# KiCad board stekeeb65_analog.kicad_pcb
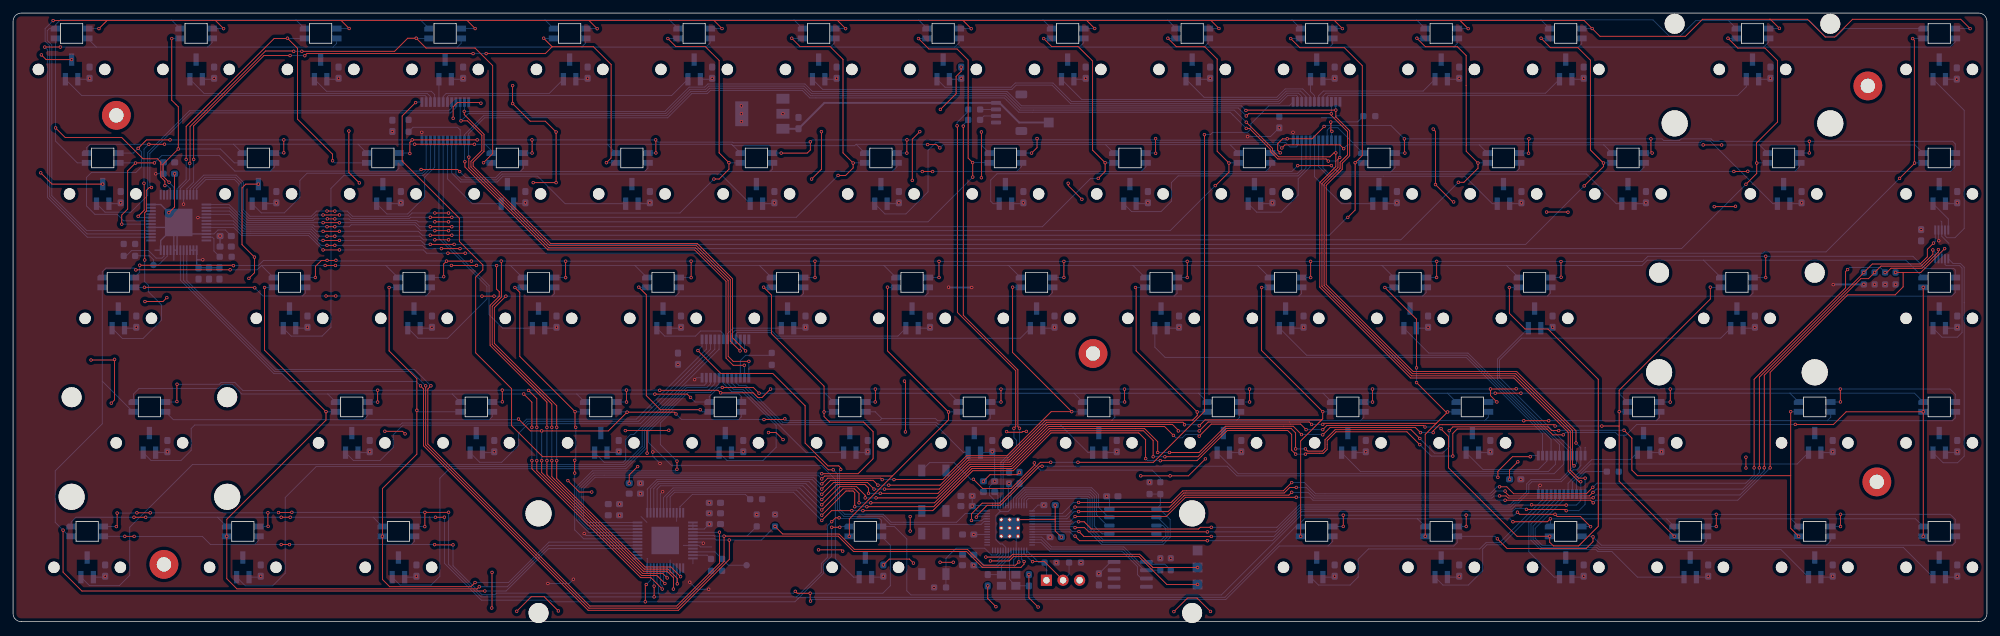
[diagram p0: board, top side]
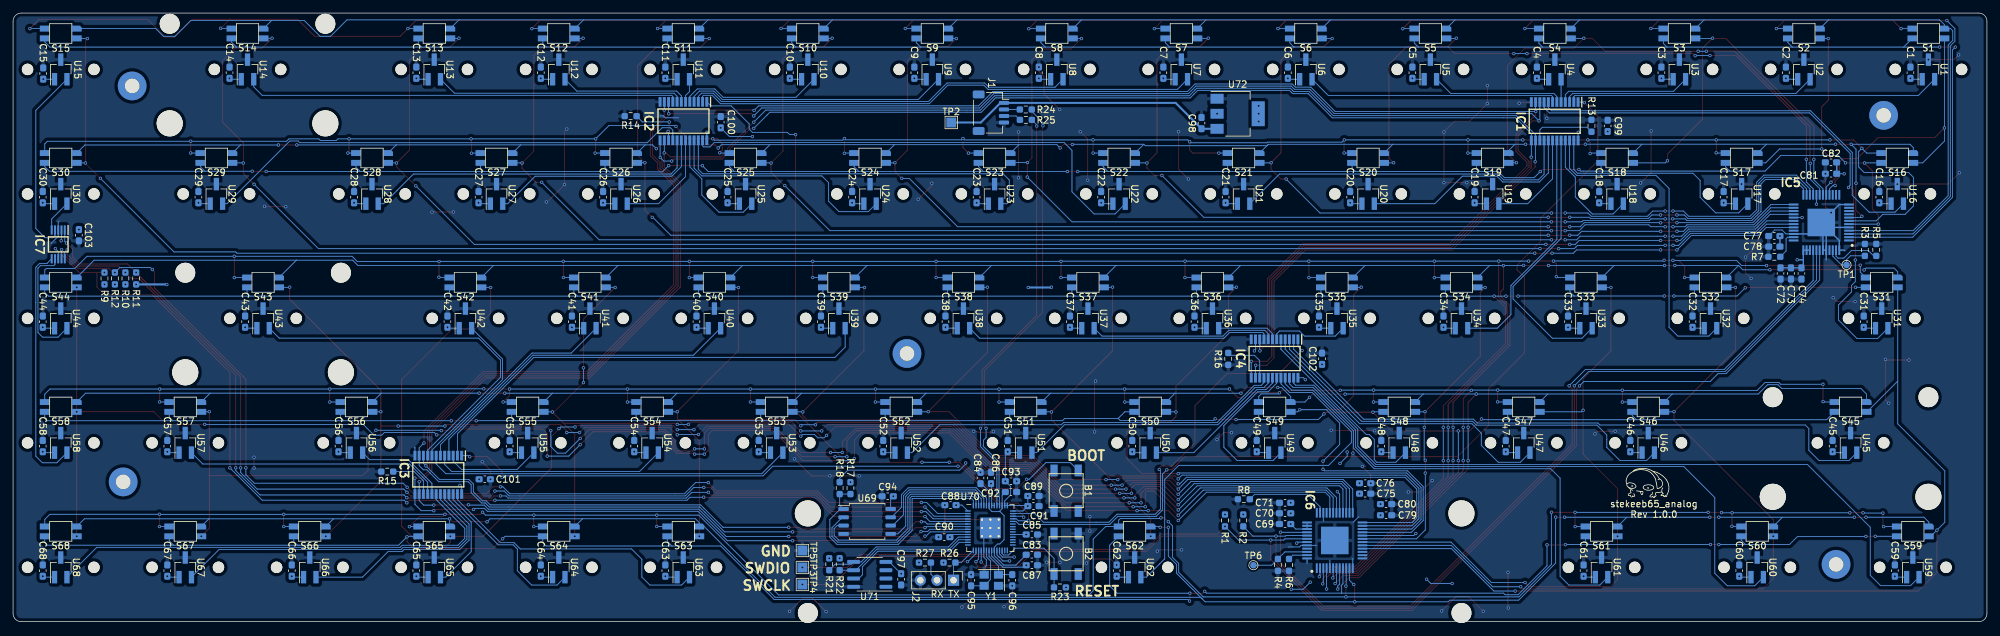
[diagram p1: board, bottom side, seen from below]

Outline 302 x 93.14 mm; copper layers: Top, Bottom. Coordinates in mm from the lower left corner of the outline.
Outline path: 0,91.89 0,1.25 arc(0.37,0.37) 1.25,0 300.75,0 arc(301.63,0.37) 302,1.25 302,91.89 arc(301.63,92.77) 300.75,93.14 1.25,93.14 arc(0.37,92.77) 0,91.89
Stack: Top 0.035mm / dielectric 1.51mm FR4 er 4.5 / Bottom 0.035mm

## Placement (name value [footprint] x y rotation side)
B1  SW_Push  [SKQG-1155865]  140.88 20.04 270 bottom
B2  SW_Push  [SKQG-1155865]  140.88 10.39 90 bottom
C1  0.1u  [C_0603_1608Metric_Pad1.08x0.95mm_HandSolder]  11.7 84.01 90 bottom
C2  0.1u  [C_0603_1608Metric_Pad1.08x0.95mm_HandSolder]  30.76 84.01 90 bottom
C3  0.1u  [C_0603_1608Metric_Pad1.08x0.95mm_HandSolder]  49.8 84.01 90 bottom
C4  0.1u  [C_0603_1608Metric_Pad1.08x0.95mm_HandSolder]  68.85 84.01 90 bottom
C5  0.1u  [C_0603_1608Metric_Pad1.08x0.95mm_HandSolder]  87.91 84.01 90 bottom
C6  0.1u  [C_0603_1608Metric_Pad1.08x0.95mm_HandSolder]  106.95 84.01 90 bottom
C7  0.1u  [C_0603_1608Metric_Pad1.08x0.95mm_HandSolder]  126 84.01 90 bottom
C8  0.1u  [C_0603_1608Metric_Pad1.08x0.95mm_HandSolder]  145.05 84.01 90 bottom
C9  0.1u  [C_0603_1608Metric_Pad1.08x0.95mm_HandSolder]  164.1 84.01 90 bottom
C10  0.1u  [C_0603_1608Metric_Pad1.08x0.95mm_HandSolder]  183.16 84.01 90 bottom
C11  0.1u  [C_0603_1608Metric_Pad1.08x0.95mm_HandSolder]  202.2 84.01 90 bottom
C12  0.1u  [C_0603_1608Metric_Pad1.08x0.95mm_HandSolder]  221.25 84.01 90 bottom
C13  0.1u  [C_0603_1608Metric_Pad1.08x0.95mm_HandSolder]  240.3 84.01 90 bottom
C14  0.1u  [C_0603_1608Metric_Pad1.08x0.95mm_HandSolder]  268.88 84.01 90 bottom
C15  0.1u  [C_0603_1608Metric_Pad1.08x0.95mm_HandSolder]  297.39 83.89 90 bottom
C16  0.1u  [C_0603_1608Metric_Pad1.08x0.95mm_HandSolder]  16.47 64.96 90 bottom
C17  0.1u  [C_0603_1608Metric_Pad1.08x0.95mm_HandSolder]  40.28 64.96 90 bottom
C18  0.1u  [C_0603_1608Metric_Pad1.08x0.95mm_HandSolder]  59.33 64.96 90 bottom
C19  0.1u  [C_0603_1608Metric_Pad1.08x0.95mm_HandSolder]  78.38 64.96 90 bottom
C20  0.1u  [C_0603_1608Metric_Pad1.08x0.95mm_HandSolder]  97.43 64.96 90 bottom
C21  0.1u  [C_0603_1608Metric_Pad1.08x0.95mm_HandSolder]  116.48 64.96 90 bottom
C22  0.1u  [C_0603_1608Metric_Pad1.08x0.95mm_HandSolder]  135.53 64.96 90 bottom
C23  0.1u  [C_0603_1608Metric_Pad1.08x0.95mm_HandSolder]  154.58 64.96 90 bottom
C24  0.1u  [C_0603_1608Metric_Pad1.08x0.95mm_HandSolder]  173.63 64.96 90 bottom
C25  0.1u  [C_0603_1608Metric_Pad1.08x0.95mm_HandSolder]  192.68 64.96 90 bottom
C26  0.1u  [C_0603_1608Metric_Pad1.08x0.95mm_HandSolder]  211.73 64.96 90 bottom
C27  0.1u  [C_0603_1608Metric_Pad1.08x0.95mm_HandSolder]  230.78 64.96 90 bottom
C28  0.1u  [C_0603_1608Metric_Pad1.08x0.95mm_HandSolder]  249.83 64.96 90 bottom
C29  0.1u  [C_0603_1608Metric_Pad1.08x0.95mm_HandSolder]  273.64 64.96 90 bottom
C30  0.1u  [C_0603_1608Metric_Pad1.08x0.95mm_HandSolder]  297.46 64.96 90 bottom
C31  0.1u  [C_0603_1608Metric_Pad1.08x0.95mm_HandSolder]  18.85 45.91 90 bottom
C32  0.1u  [C_0603_1608Metric_Pad1.08x0.95mm_HandSolder]  45.04 45.91 90 bottom
C33  0.1u  [C_0603_1608Metric_Pad1.08x0.95mm_HandSolder]  64.09 45.91 90 bottom
C34  0.1u  [C_0603_1608Metric_Pad1.08x0.95mm_HandSolder]  83.14 45.91 90 bottom
C35  0.1u  [C_0603_1608Metric_Pad1.08x0.95mm_HandSolder]  102.19 45.91 90 bottom
C36  0.1u  [C_0603_1608Metric_Pad1.08x0.95mm_HandSolder]  121.24 45.91 90 bottom
C37  0.1u  [C_0603_1608Metric_Pad1.08x0.95mm_HandSolder]  140.29 45.91 90 bottom
C38  0.1u  [C_0603_1608Metric_Pad1.08x0.95mm_HandSolder]  159.34 45.91 90 bottom
C39  0.1u  [C_0603_1608Metric_Pad1.08x0.95mm_HandSolder]  178.39 45.91 90 bottom
C40  0.1u  [C_0603_1608Metric_Pad1.08x0.95mm_HandSolder]  197.44 45.91 90 bottom
C41  0.1u  [C_0603_1608Metric_Pad1.08x0.95mm_HandSolder]  216.49 45.91 90 bottom
C42  0.1u  [C_0603_1608Metric_Pad1.08x0.95mm_HandSolder]  235.54 45.91 90 bottom
C43  0.1u  [C_0603_1608Metric_Pad1.08x0.95mm_HandSolder]  266.5 45.91 90 bottom
C44  0.1u  [C_0603_1608Metric_Pad1.08x0.95mm_HandSolder]  297.46 45.91 90 bottom
C45  0.1u  [C_0603_1608Metric_Pad1.08x0.95mm_HandSolder]  23.61 26.86 90 bottom
C46  0.1u  [C_0603_1608Metric_Pad1.08x0.95mm_HandSolder]  54.57 26.86 90 bottom
C47  0.1u  [C_0603_1608Metric_Pad1.08x0.95mm_HandSolder]  73.62 26.86 90 bottom
C48  0.1u  [C_0603_1608Metric_Pad1.08x0.95mm_HandSolder]  92.67 26.86 90 bottom
C49  0.1u  [C_0603_1608Metric_Pad1.08x0.95mm_HandSolder]  111.72 26.86 90 bottom
C50  0.1u  [C_0603_1608Metric_Pad1.08x0.95mm_HandSolder]  130.77 26.86 90 bottom
C51  0.1u  [C_0603_1608Metric_Pad1.08x0.95mm_HandSolder]  149.82 26.86 90 bottom
C52  0.1u  [C_0603_1608Metric_Pad1.08x0.95mm_HandSolder]  168.87 26.86 90 bottom
C53  0.1u  [C_0603_1608Metric_Pad1.08x0.95mm_HandSolder]  187.92 26.86 90 bottom
C54  0.1u  [C_0603_1608Metric_Pad1.08x0.95mm_HandSolder]  206.97 26.86 90 bottom
C55  0.1u  [C_0603_1608Metric_Pad1.08x0.95mm_HandSolder]  226.02 26.86 90 bottom
C56  0.1u  [C_0603_1608Metric_Pad1.08x0.95mm_HandSolder]  252.21 26.86 90 bottom
C57  0.1u  [C_0603_1608Metric_Pad1.08x0.95mm_HandSolder]  278.41 26.86 90 bottom
C58  0.1u  [C_0603_1608Metric_Pad1.08x0.95mm_HandSolder]  297.46 26.86 90 bottom
C59  0.1u  [C_0603_1608Metric_Pad1.08x0.95mm_HandSolder]  14.09 7.81 90 bottom
C60  0.1u  [C_0603_1608Metric_Pad1.08x0.95mm_HandSolder]  37.9 7.81 90 bottom
C61  0.1u  [C_0603_1608Metric_Pad1.08x0.95mm_HandSolder]  61.71 7.81 90 bottom
C62  0.1u  [C_0603_1608Metric_Pad1.08x0.95mm_HandSolder]  133.15 7.81 90 bottom
C63  0.1u  [C_0603_1608Metric_Pad1.08x0.95mm_HandSolder]  202.2 7.81 90 bottom
C64  0.1u  [C_0603_1608Metric_Pad1.08x0.95mm_HandSolder]  221.25 7.81 90 bottom
C65  0.1u  [C_0603_1608Metric_Pad1.08x0.95mm_HandSolder]  240.3 7.81 90 bottom
C66  0.1u  [C_0603_1608Metric_Pad1.08x0.95mm_HandSolder]  259.36 7.81 90 bottom
C67  0.1u  [C_0603_1608Metric_Pad1.08x0.95mm_HandSolder]  278.41 7.81 90 bottom
C68  0.1u  [C_0603_1608Metric_Pad1.08x0.95mm_HandSolder]  297.46 7.81 90 bottom
C69  0.47u  [C_0603_1608Metric_Pad1.08x0.95mm_HandSolder]  107.38 14.94 0 bottom
C70  0.47u  [C_0603_1608Metric_Pad1.08x0.95mm_HandSolder]  107.38 16.59 0 bottom
C71  0.1u  [C_0603_1608Metric_Pad1.08x0.95mm_HandSolder]  107.38 18.19 0 bottom
C72  0.47u  [C_0603_1608Metric_Pad1.08x0.95mm_HandSolder]  31.58 53.29 270 bottom
C73  0.47u  [C_0603_1608Metric_Pad1.08x0.95mm_HandSolder]  29.98 53.29 270 bottom
C74  0.1u  [C_0603_1608Metric_Pad1.08x0.95mm_HandSolder]  28.38 53.29 270 bottom
C75  0.47u  [C_0603_1608Metric_Pad1.08x0.95mm_HandSolder]  95.13 19.59 180 bottom
C76  0.1u  [C_0603_1608Metric_Pad1.08x0.95mm_HandSolder]  95.13 21.19 180 bottom
C77  0.47u  [C_0603_1608Metric_Pad1.08x0.95mm_HandSolder]  32.53 59.02 0 bottom
C78  0.1u  [C_0603_1608Metric_Pad1.08x0.95mm_HandSolder]  32.53 57.4 0 bottom
C79  0.47u  [C_0603_1608Metric_Pad1.08x0.95mm_HandSolder]  91.93 16.29 180 bottom
C80  0.1u  [C_0603_1608Metric_Pad1.08x0.95mm_HandSolder]  91.93 17.99 180 bottom
C81  0.47u  [C_0603_1608Metric_Pad1.08x0.95mm_HandSolder]  23.85 68.55 0 bottom
C82  0.1u  [C_0603_1608Metric_Pad1.08x0.95mm_HandSolder]  23.86 70.29 0 bottom
C83  0.1u  [C_0603_1608Metric_Pad1.08x0.95mm_HandSolder]  146.14 10.24 180 bottom
C84  0.1u  [C_0603_1608Metric_Pad1.08x0.95mm_HandSolder]  153.98 21.99 90 bottom
C85  0.1u  [C_0603_1608Metric_Pad1.08x0.95mm_HandSolder]  146.13 13.34 180 bottom
C86  0.1u  [C_0603_1608Metric_Pad1.08x0.95mm_HandSolder]  152.38 21.99 90 bottom
C87  0.1u  [C_0603_1608Metric_Pad1.08x0.95mm_HandSolder]  146.13 8.64 180 bottom
C88  0.1u  [C_0603_1608Metric_Pad1.08x0.95mm_HandSolder]  158.58 17.84 0 bottom
C89  0.1u  [C_0603_1608Metric_Pad1.08x0.95mm_HandSolder]  145.88 19.24 180 bottom
C90  0.1u  [C_0603_1608Metric_Pad1.08x0.95mm_HandSolder]  159.53 12.94 0 bottom
C91  0.1u  [C_0603_1608Metric_Pad1.08x0.95mm_HandSolder]  145.88 17.69 180 bottom
C92  1u  [C_0603_1608Metric_Pad1.08x0.95mm_HandSolder]  149.32 19.84 180 bottom
C93  1u  [C_0603_1608Metric_Pad1.08x0.95mm_HandSolder]  149.32 21.49 180 bottom
C94  0.1u  [C_0603_1608Metric_Pad1.08x0.95mm_HandSolder]  168.18 19.19 180 bottom
C95  27p  [C_0603_1608Metric_Pad1.08x0.95mm_HandSolder]  155.42 6.34 270 bottom
C96  27p  [C_0603_1608Metric_Pad1.08x0.95mm_HandSolder]  149.12 6.34 90 bottom
C97  0.1u  [C_0603_1608Metric_Pad1.08x0.95mm_HandSolder]  166.13 6.48 270 bottom
C98  0.1u  [C_0603_1608Metric_Pad1.08x0.95mm_HandSolder]  120.17 76.3 270 bottom
C99  0.1u  [C_0603_1608Metric_Pad1.08x0.95mm_HandSolder]  58.03 75.88 90 bottom
C100  0.1u  [C_0603_1608Metric_Pad1.08x0.95mm_HandSolder]  193.73 76.44 90 bottom
C101  0.1u  [C_0603_1608Metric_Pad1.08x0.95mm_HandSolder]  229.83 21.79 180 bottom
C102  0.1u  [C_0603_1608Metric_Pad1.08x0.95mm_HandSolder]  101.73 40.24 90 bottom
C103  0.1u  [C_0603_1608Metric_Pad1.08x0.95mm_HandSolder]  291.93 59.14 270 bottom
G***  LOGO  [crisis_boi]  51.65 21.16 180 bottom
IC1  74HC4067PW,118  [SOP65P640X110-24N]  66.13 76.58 270 bottom
IC2  74HC4067PW,118  [SOP65P640X110-24N]  199.43 76.61 270 bottom
IC3  74HC4067PW,118  [SOP65P640X110-24N]  236.94 22.47 270 bottom
IC4  74HC4067PW,118  [SOP65P640X110-24N]  108.99 40.27 270 bottom
IC5  IS31FL3733B-TQLS4  [QFP50P900X900X120-49N]  25.34 61.09 0 bottom
IC6  IS31FL3733B-TQLS4  [QFP50P900X900X120-49N]  99.78 12.43 90 bottom
IC7  ADC124S021CIMM_NOPB  [SOP50P490X110-10N]  295.09 57.74 270 bottom
J1  Conn_01x04  [JST_SH_SM04B-SRSS-TB_1x04-1MP_P1.00mm_Horizontal]  152.39 77.89 270 bottom
J2  Conn_01x03  [PinHeader_1x03_P2.54mm_Vertical]  158.1 6.34 270 bottom
NOREF  -  [unnamed]  23.08 8.76 0 top
NOREF#2  -  [unnamed]  165.23 41.04 0 top
NOREF#3  -  [unnamed]  285.16 21.39 0 top
NOREF#4  -  [unnamed]  283.78 81.99 0 top
R1  4.7k  [R_0603_1608Metric_Pad0.98x0.95mm_HandSolder]  116.58 15.49 270 bottom
R2  4.7k  [R_0603_1608Metric_Pad0.98x0.95mm_HandSolder]  113.78 15.49 270 bottom
R3  100k  [R_0603_1608Metric_Pad0.98x0.95mm_HandSolder]  18.68 56.89 270 bottom
R4  100k  [R_0603_1608Metric_Pad0.98x0.95mm_HandSolder]  108.48 8.69 90 bottom
R5  100k  [R_0603_1608Metric_Pad0.98x0.95mm_HandSolder]  16.93 56.89 270 bottom
R6  100k  [R_0603_1608Metric_Pad0.98x0.95mm_HandSolder]  106.78 8.69 90 bottom
R7  20k  [R_0603_1608Metric_Pad0.98x0.95mm_HandSolder]  32.53 55.84 0 bottom
R8  20k  [R_0603_1608Metric_Pad0.98x0.95mm_HandSolder]  113.69 18.74 0 bottom
R9  DNI  [R_0603_1608Metric_Pad0.98x0.95mm_HandSolder]  288.02 52.53 90 bottom
R10  DNI  [R_0603_1608Metric_Pad0.98x0.95mm_HandSolder]  284.82 52.53 90 bottom
R11  DNI  [R_0603_1608Metric_Pad0.98x0.95mm_HandSolder]  283.17 52.53 90 bottom
R12  DNI  [R_0603_1608Metric_Pad0.98x0.95mm_HandSolder]  286.42 52.53 90 bottom
R13  0  [R_0603_1608Metric_Pad0.98x0.95mm_HandSolder]  60.51 75.89 90 bottom
R14  0  [R_0603_1608Metric_Pad0.98x0.95mm_HandSolder]  207.5 77.36 0 bottom
R15  0  [R_0603_1608Metric_Pad0.98x0.95mm_HandSolder]  244.75 22.96 0 bottom
R16  0  [R_0603_1608Metric_Pad0.98x0.95mm_HandSolder]  116.08 40.21 270 bottom
R17  DNI  [R_0603_1608Metric_Pad0.98x0.95mm_HandSolder]  173.88 20.44 90 bottom
R18  10k  [R_0603_1608Metric_Pad0.98x0.95mm_HandSolder]  175.53 20.44 270 bottom
R21  4.7k  [R_0603_1608Metric_Pad0.98x0.95mm_HandSolder]  177.13 8.79 270 bottom
R22  4.7k  [R_0603_1608Metric_Pad0.98x0.95mm_HandSolder]  175.53 8.79 270 bottom
R23  10k  [R_0603_1608Metric_Pad0.98x0.95mm_HandSolder]  141.83 5.24 0 bottom
R24  27  [R_0603_1608Metric_Pad0.98x0.95mm_HandSolder]  147.05 78.38 180 bottom
R25  27  [R_0603_1608Metric_Pad0.98x0.95mm_HandSolder]  147.04 76.8 0 bottom
R26  DNI  [R_0603_1608Metric_Pad0.98x0.95mm_HandSolder]  158.73 9.04 180 bottom
R27  DNI  [R_0603_1608Metric_Pad0.98x0.95mm_HandSolder]  162.48 9.04 180 bottom
REF**  -  [MountingHole_2.2mm_M2_Pad_tweaked]  15.8 77.49 0 top
S1  QBLP677R-RGB  [QBLP677R-RGB-square_cutout]  8.95 90.01 0 bottom
S2  QBLP677R-RGB  [QBLP677R-RGB-square_cutout]  28.01 90.01 0 bottom
S3  QBLP677R-RGB  [QBLP677R-RGB-square_cutout]  47.05 90.01 0 bottom
S4  QBLP677R-RGB  [QBLP677R-RGB-square_cutout]  66.1 90.01 0 bottom
S5  QBLP677R-RGB  [QBLP677R-RGB-square_cutout]  85.16 90.01 0 bottom
S6  QBLP677R-RGB  [QBLP677R-RGB-square_cutout]  104.2 90.01 0 bottom
S7  QBLP677R-RGB  [QBLP677R-RGB-square_cutout]  123.25 90.01 0 bottom
S8  QBLP677R-RGB  [QBLP677R-RGB-square_cutout]  142.3 90.01 0 bottom
S9  QBLP677R-RGB  [QBLP677R-RGB-square_cutout]  161.35 90.01 0 bottom
S10  QBLP677R-RGB  [QBLP677R-RGB-square_cutout]  180.41 90.01 0 bottom
S11  QBLP677R-RGB  [QBLP677R-RGB-square_cutout]  199.45 90.01 0 bottom
S12  QBLP677R-RGB  [QBLP677R-RGB-square_cutout]  218.5 90.01 0 bottom
S13  QBLP677R-RGB  [QBLP677R-RGB-square_cutout]  237.55 90.01 0 bottom
S14  QBLP677R-RGB  [QBLP677R-RGB-square_cutout]  266.13 90.01 0 bottom
S15  QBLP677R-RGB  [QBLP677R-RGB-square_cutout]  294.71 90.01 0 bottom
S16  QBLP677R-RGB  [QBLP677R-RGB-square_cutout]  13.72 70.96 0 bottom
S17  QBLP677R-RGB  [QBLP677R-RGB-square_cutout]  37.53 70.96 0 bottom
S18  QBLP677R-RGB  [QBLP677R-RGB-square_cutout]  56.58 70.96 0 bottom
S19  QBLP677R-RGB  [QBLP677R-RGB-square_cutout]  75.63 70.96 0 bottom
S20  QBLP677R-RGB  [QBLP677R-RGB-square_cutout]  94.68 70.96 0 bottom
S21  QBLP677R-RGB  [QBLP677R-RGB-square_cutout]  113.73 70.96 0 bottom
S22  QBLP677R-RGB  [QBLP677R-RGB-square_cutout]  132.78 70.96 0 bottom
S23  QBLP677R-RGB  [QBLP677R-RGB-square_cutout]  151.83 70.96 0 bottom
S24  QBLP677R-RGB  [QBLP677R-RGB-square_cutout]  170.88 70.96 0 bottom
S25  QBLP677R-RGB  [QBLP677R-RGB-square_cutout]  189.93 70.96 0 bottom
S26  QBLP677R-RGB  [QBLP677R-RGB-square_cutout]  208.98 70.96 0 bottom
S27  QBLP677R-RGB  [QBLP677R-RGB-square_cutout]  228.03 70.96 0 bottom
S28  QBLP677R-RGB  [QBLP677R-RGB-square_cutout]  247.08 70.96 0 bottom
S29  QBLP677R-RGB  [QBLP677R-RGB-square_cutout]  270.89 70.96 0 bottom
S30  QBLP677R-RGB  [QBLP677R-RGB-square_cutout]  294.71 70.96 0 bottom
S31  QBLP677R-RGB  [QBLP677R-RGB-square_cutout]  16.1 51.91 0 bottom
S32  QBLP677R-RGB  [QBLP677R-RGB-square_cutout]  42.29 51.91 0 bottom
S33  QBLP677R-RGB  [QBLP677R-RGB-square_cutout]  61.34 51.91 0 bottom
S34  QBLP677R-RGB  [QBLP677R-RGB-square_cutout]  80.39 51.91 0 bottom
S35  QBLP677R-RGB  [QBLP677R-RGB-square_cutout]  99.44 51.91 0 bottom
S36  QBLP677R-RGB  [QBLP677R-RGB-square_cutout]  118.49 51.91 0 bottom
S37  QBLP677R-RGB  [QBLP677R-RGB-square_cutout]  137.54 51.91 0 bottom
S38  QBLP677R-RGB  [QBLP677R-RGB-square_cutout]  156.59 51.91 0 bottom
S39  QBLP677R-RGB  [QBLP677R-RGB-square_cutout]  175.64 51.91 0 bottom
S40  QBLP677R-RGB  [QBLP677R-RGB-square_cutout]  194.69 51.91 0 bottom
S41  QBLP677R-RGB  [QBLP677R-RGB-square_cutout]  213.74 51.91 0 bottom
S42  QBLP677R-RGB  [QBLP677R-RGB-square_cutout]  232.79 51.91 0 bottom
S43  QBLP677R-RGB  [QBLP677R-RGB-square_cutout]  263.75 51.91 0 bottom
S44  QBLP677R-RGB  [QBLP677R-RGB-square_cutout]  294.71 51.91 0 bottom
S45  QBLP677R-RGB  [QBLP677R-RGB-square_cutout]  20.86 32.86 0 bottom
S46  QBLP677R-RGB  [QBLP677R-RGB-square_cutout]  51.82 32.86 0 bottom
S47  QBLP677R-RGB  [QBLP677R-RGB-square_cutout]  70.87 32.86 0 bottom
S48  QBLP677R-RGB  [QBLP677R-RGB-square_cutout]  89.92 32.86 0 bottom
S49  QBLP677R-RGB  [QBLP677R-RGB-square_cutout]  108.97 32.86 0 bottom
S50  QBLP677R-RGB  [QBLP677R-RGB-square_cutout]  128.02 32.86 0 bottom
S51  QBLP677R-RGB  [QBLP677R-RGB-square_cutout]  147.07 32.86 0 bottom
S52  QBLP677R-RGB  [QBLP677R-RGB-square_cutout]  166.12 32.86 0 bottom
S53  QBLP677R-RGB  [QBLP677R-RGB-square_cutout]  185.17 32.86 0 bottom
S54  QBLP677R-RGB  [QBLP677R-RGB-square_cutout]  204.22 32.86 0 bottom
S55  QBLP677R-RGB  [QBLP677R-RGB-square_cutout]  223.27 32.86 0 bottom
S56  QBLP677R-RGB  [QBLP677R-RGB-square_cutout]  249.46 32.86 0 bottom
S57  QBLP677R-RGB  [QBLP677R-RGB-square_cutout]  275.66 32.86 0 bottom
S58  QBLP677R-RGB  [QBLP677R-RGB-square_cutout]  294.71 32.86 0 bottom
S59  QBLP677R-RGB  [QBLP677R-RGB-square_cutout]  11.34 13.81 0 bottom
S60  QBLP677R-RGB  [QBLP677R-RGB-square_cutout]  35.15 13.81 0 bottom
S61  QBLP677R-RGB  [QBLP677R-RGB-square_cutout]  58.96 13.81 0 bottom
S62  QBLP677R-RGB  [QBLP677R-RGB-square_cutout]  130.4 13.81 0 bottom
S63  QBLP677R-RGB  [QBLP677R-RGB-square_cutout]  199.45 13.81 0 bottom
S64  QBLP677R-RGB  [QBLP677R-RGB-square_cutout]  218.5 13.81 0 bottom
S65  QBLP677R-RGB  [QBLP677R-RGB-square_cutout]  237.55 13.81 0 bottom
S66  QBLP677R-RGB  [QBLP677R-RGB-square_cutout]  256.61 13.81 0 bottom
S67  QBLP677R-RGB  [QBLP677R-RGB-square_cutout]  275.66 13.81 0 bottom
S68  QBLP677R-RGB  [QBLP677R-RGB-square_cutout]  294.71 13.81 0 bottom
SW1  -  [MX_Lekker]  8.95 84.51 0 top
SW2  -  [MX_Lekker]  28.01 84.51 0 top
SW3  -  [MX_Lekker]  47.05 84.51 0 top
SW4  -  [MX_Lekker]  66.1 84.51 0 top
SW5  -  [MX_Lekker]  85.16 84.51 0 top
SW6  -  [MX_Lekker]  104.2 84.51 0 top
SW7  -  [MX_Lekker]  123.25 84.51 0 top
SW8  -  [MX_Lekker]  142.3 84.51 0 top
SW9  -  [MX_Lekker]  161.35 84.51 0 top
SW10  -  [MX_Lekker]  180.41 84.51 0 top
SW11  -  [MX_Lekker]  199.45 84.51 0 top
SW12  -  [MX_Lekker]  218.5 84.51 0 top
SW13  -  [MX_Lekker]  237.55 84.51 0 top
SW14  MX_Lekker  [MX_Lekker-2U]  266.13 84.51 0 top
SW15  -  [MX_Lekker]  294.71 84.51 0 top
SW16  MX_Lekker  [MX_Lekker-1.5U]  13.72 65.46 0 top
SW17  -  [MX_Lekker]  37.53 65.46 0 top
SW18  -  [MX_Lekker]  56.58 65.46 0 top
SW19  -  [MX_Lekker]  75.63 65.46 0 top
SW20  -  [MX_Lekker]  94.68 65.46 0 top
SW21  -  [MX_Lekker]  113.73 65.46 0 top
SW22  -  [MX_Lekker]  132.78 65.46 0 top
SW23  -  [MX_Lekker]  151.83 65.46 0 top
SW24  -  [MX_Lekker]  170.88 65.46 0 top
SW25  -  [MX_Lekker]  189.93 65.46 0 top
SW26  -  [MX_Lekker]  208.98 65.46 0 top
SW27  -  [MX_Lekker]  228.03 65.46 0 top
SW28  -  [MX_Lekker]  247.08 65.46 0 top
SW29  MX_Lekker  [MX_Lekker-1.5U]  270.89 65.46 0 top
SW30  -  [MX_Lekker]  294.71 65.46 0 top
SW31  MX_Lekker  [MX_Lekker-1.75U]  16.1 46.41 0 top
SW32  -  [MX_Lekker]  42.29 46.41 0 top
SW33  -  [MX_Lekker]  61.34 46.41 0 top
SW34  -  [MX_Lekker]  80.39 46.41 0 top
SW35  -  [MX_Lekker]  99.44 46.41 0 top
SW36  -  [MX_Lekker]  118.49 46.41 0 top
SW37  -  [MX_Lekker]  137.54 46.41 0 top
SW38  -  [MX_Lekker]  156.59 46.41 0 top
SW39  -  [MX_Lekker]  175.64 46.41 0 top
SW40  -  [MX_Lekker]  194.69 46.41 0 top
SW41  -  [MX_Lekker]  213.74 46.41 0 top
SW42  -  [MX_Lekker]  232.79 46.41 0 top
SW43  MX_Lekker  [MX_Lekker-2.25U]  263.75 46.41 0 top
SW44  -  [MX_Lekker]  294.71 46.41 0 top
SW45  MX_Lekker  [MX_Lekker-2.25U]  20.86 27.36 0 top
SW46  -  [MX_Lekker]  51.82 27.36 0 top
SW47  -  [MX_Lekker]  70.87 27.36 0 top
SW48  -  [MX_Lekker]  89.92 27.36 0 top
SW49  -  [MX_Lekker]  108.97 27.36 0 top
SW50  -  [MX_Lekker]  128.02 27.36 0 top
SW51  -  [MX_Lekker]  147.07 27.36 0 top
SW52  -  [MX_Lekker]  166.12 27.36 0 top
SW53  -  [MX_Lekker]  185.17 27.36 0 top
SW54  -  [MX_Lekker]  204.22 27.36 0 top
SW55  -  [MX_Lekker]  223.27 27.36 0 top
SW56  MX_Lekker  [MX_Lekker-1.75U]  249.46 27.36 0 top
SW57  -  [MX_Lekker]  275.66 27.36 0 top
SW58  -  [MX_Lekker]  294.71 27.36 0 top
SW59  MX_Lekker  [MX_Lekker-1.25U]  11.34 8.31 0 top
SW60  MX_Lekker  [MX_Lekker-1.25U]  35.15 8.31 0 top
SW61  MX_Lekker  [MX_Lekker-1.25U]  58.96 8.31 0 top
SW62  MX_Lekker  [MX_Lekker-6.25U-ReversedStabilizers]  130.4 8.31 180 bottom
SW63  -  [MX_Lekker]  199.45 8.31 0 top
SW64  -  [MX_Lekker]  218.5 8.31 0 top
SW65  -  [MX_Lekker]  237.55 8.31 0 top
SW66  -  [MX_Lekker]  256.61 8.31 0 top
SW67  -  [MX_Lekker]  275.66 8.31 0 top
SW68  -  [MX_Lekker]  294.71 8.31 0 top
TP1  TestPoint  [TestPoint_Pad_D1.0mm]  21.48 54.59 0 bottom
TP2  TestPoint  [TestPoint_Pad_1.5x1.5mm]  158.45 76.39 180 bottom
TP3  TestPoint  [TestPoint_Pad_1.5x1.5mm]  181.23 8.29 270 bottom
TP4  TestPoint  [TestPoint_Pad_1.5x1.5mm]  181.23 5.69 270 bottom
TP5  TestPoint  [TestPoint_Pad_1.5x1.5mm]  181.23 10.89 270 bottom
TP6  TestPoint  [TestPoint_Pad_D1.0mm]  112.23 8.64 180 bottom
U1  DRV5055Z3QDBZT  [SOT-23_Handsoldering_no_plane]  8.95 84.51 90 bottom
U2  DRV5055Z3QDBZT  [SOT-23_Handsoldering_no_plane]  28.01 84.51 90 bottom
U3  DRV5055Z3QDBZT  [SOT-23_Handsoldering_no_plane]  47.05 84.51 90 bottom
U4  DRV5055Z3QDBZT  [SOT-23_Handsoldering_no_plane]  66.1 84.51 90 bottom
U5  DRV5055Z3QDBZT  [SOT-23_Handsoldering_no_plane]  85.16 84.51 90 bottom
U6  DRV5055Z3QDBZT  [SOT-23_Handsoldering_no_plane]  104.2 84.51 90 bottom
U7  DRV5055Z3QDBZT  [SOT-23_Handsoldering_no_plane]  123.25 84.51 90 bottom
U8  DRV5055Z3QDBZT  [SOT-23_Handsoldering_no_plane]  142.3 84.51 90 bottom
U9  DRV5055Z3QDBZT  [SOT-23_Handsoldering_no_plane]  161.35 84.51 90 bottom
U10  DRV5055Z3QDBZT  [SOT-23_Handsoldering_no_plane]  180.41 84.51 90 bottom
U11  DRV5055Z3QDBZT  [SOT-23_Handsoldering_no_plane]  199.45 84.51 90 bottom
U12  DRV5055Z3QDBZT  [SOT-23_Handsoldering_no_plane]  218.5 84.51 90 bottom
U13  DRV5055Z3QDBZT  [SOT-23_Handsoldering_no_plane]  237.55 84.51 90 bottom
U14  DRV5055Z3QDBZT  [SOT-23_Handsoldering_no_plane]  266.13 84.51 90 bottom
U15  DRV5055Z3QDBZT  [SOT-23_Handsoldering_no_plane]  294.71 84.51 90 bottom
U16  DRV5055Z3QDBZT  [SOT-23_Handsoldering_no_plane]  13.72 65.46 90 bottom
U17  DRV5055Z3QDBZT  [SOT-23_Handsoldering_no_plane]  37.53 65.46 90 bottom
U18  DRV5055Z3QDBZT  [SOT-23_Handsoldering_no_plane]  56.58 65.46 90 bottom
U19  DRV5055Z3QDBZT  [SOT-23_Handsoldering_no_plane]  75.63 65.46 90 bottom
U20  DRV5055Z3QDBZT  [SOT-23_Handsoldering_no_plane]  94.68 65.46 90 bottom
U21  DRV5055Z3QDBZT  [SOT-23_Handsoldering_no_plane]  113.73 65.46 90 bottom
U22  DRV5055Z3QDBZT  [SOT-23_Handsoldering_no_plane]  132.78 65.46 90 bottom
U23  DRV5055Z3QDBZT  [SOT-23_Handsoldering_no_plane]  151.83 65.46 90 bottom
U24  DRV5055Z3QDBZT  [SOT-23_Handsoldering_no_plane]  170.88 65.46 90 bottom
U25  DRV5055Z3QDBZT  [SOT-23_Handsoldering_no_plane]  189.93 65.46 90 bottom
U26  DRV5055Z3QDBZT  [SOT-23_Handsoldering_no_plane]  208.98 65.46 90 bottom
U27  DRV5055Z3QDBZT  [SOT-23_Handsoldering_no_plane]  228.03 65.46 90 bottom
U28  DRV5055Z3QDBZT  [SOT-23_Handsoldering_no_plane]  247.08 65.46 90 bottom
U29  DRV5055Z3QDBZT  [SOT-23_Handsoldering_no_plane]  270.89 65.46 90 bottom
U30  DRV5055Z3QDBZT  [SOT-23_Handsoldering_no_plane]  294.71 65.46 90 bottom
U31  DRV5055Z3QDBZT  [SOT-23_Handsoldering_no_plane]  16.1 46.41 90 bottom
U32  DRV5055Z3QDBZT  [SOT-23_Handsoldering_no_plane]  42.29 46.41 90 bottom
U33  DRV5055Z3QDBZT  [SOT-23_Handsoldering_no_plane]  61.34 46.41 90 bottom
U34  DRV5055Z3QDBZT  [SOT-23_Handsoldering_no_plane]  80.39 46.41 90 bottom
U35  DRV5055Z3QDBZT  [SOT-23_Handsoldering_no_plane]  99.44 46.41 90 bottom
U36  DRV5055Z3QDBZT  [SOT-23_Handsoldering_no_plane]  118.49 46.41 90 bottom
U37  DRV5055Z3QDBZT  [SOT-23_Handsoldering_no_plane]  137.54 46.41 90 bottom
U38  DRV5055Z3QDBZT  [SOT-23_Handsoldering_no_plane]  156.59 46.41 90 bottom